# KiCad board keyboard.kicad_pcb (continued)
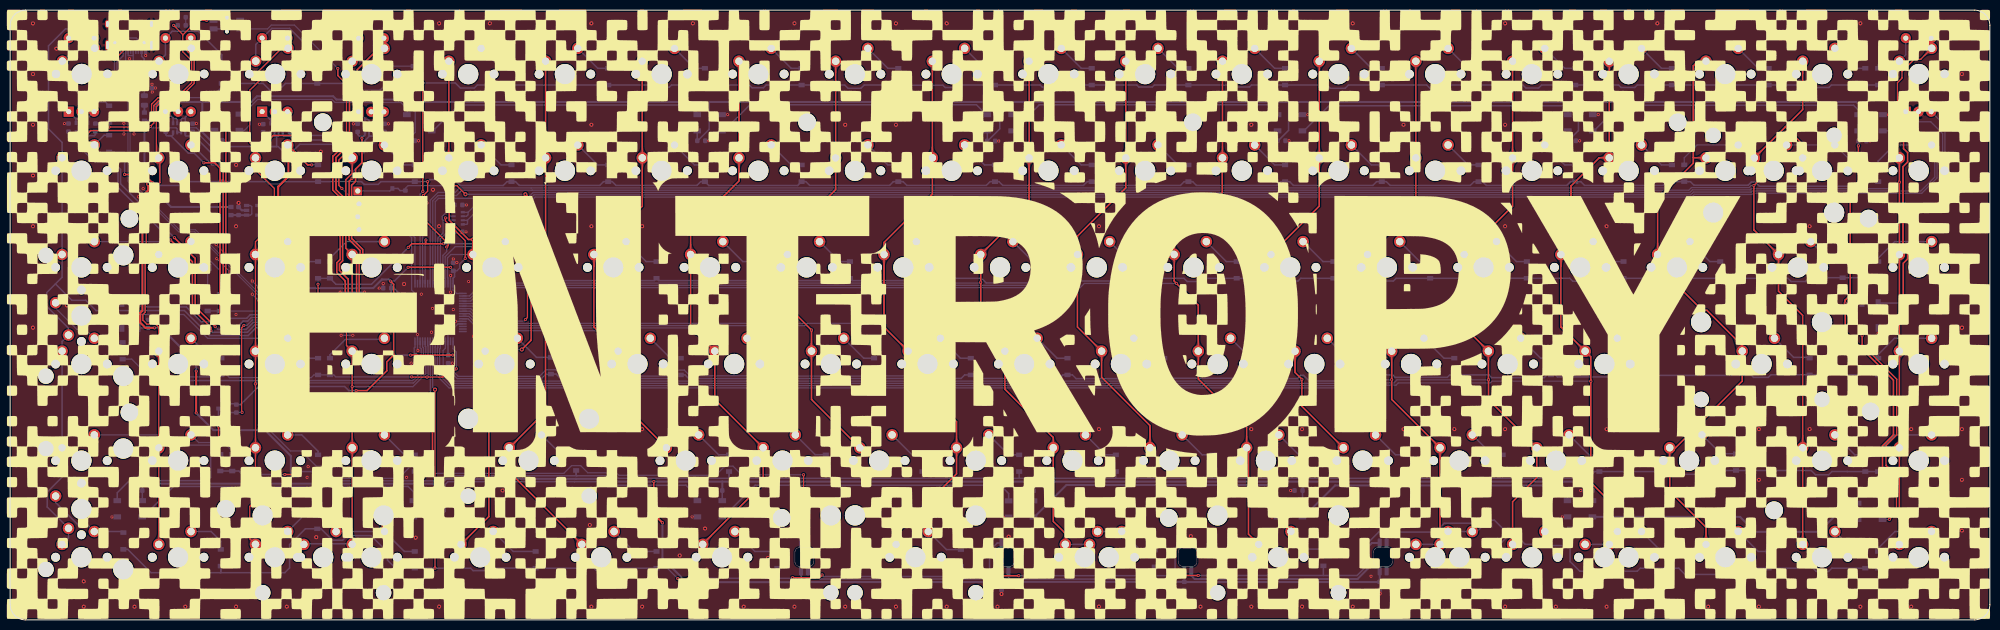
[diagram p0: board, top side]
## Routing (per net, layer and track width the routed paths; a pad name or vN(x,y) marks a point on that pad's centre or on a via; arc(x,y) is an arc through that point) (continued)
/ENC0_B: length 4.2
  Bottom w0.3: K_0.B 15.35,99 RN1.8 ; RN1.7 14.55,98.6 14.8,98.85 15.3,98.85
/ENC0_B_DB: length 91.8
  Top w0.3: v1(40.4,57.8) 36.45,61.75 36.45,71.25 v1(32.35,75.35)
  Bottom w0.3: RN1.1 15.35,95.6 15.5,95.45 ; v1(32.35,75.35) 21.75,85.95 21.75,88.81 19.86,90.7 16.95,90.7 15,92.65 15,94.95 15.5,95.45 ; v1(40.4,57.8) 40.95,57.25 46.5,57.25 47.9,58.65 64.16,58.65 64.96,57.85 71.05,57.85 71.55,58.35 76.05,58.35 76.55,57.85 U3.35 ; 15.5,95.45 16.58,95.45 16.8,95.67 C6.1
/ENC1_A: length 4.7
  Bottom w0.3: RN2.6 32.9,98.65 32.7,98.85 32.2,98.85 32.1,98.95 ; 32.1,98.95 30.86,100.19 K_1.A ; 32.1,98.95 RN2.5
/ENC1_A_DB: length 84.2
  Top w0.3: v1(38.15,90.1) 40.3,90.1 41.35,89.05 41.35,60.15 40.8,59.6 40.8,58.95 v1(41.7,58.05)
  Bottom w0.3: v1(41.7,58.05) 45.05,58.05 45.9,58.9 46.81,58.9 47.51,59.6 64.55,59.6 65.25,58.9 70.4,58.9 70.85,59.35 U3.38 ; 31.25,95.45 31.9,95.45 32.1,95.65 RN2.4 ; 31.25,95.45 31.65,95.45 35.1,92 36.25,92 v1(38.15,90.1) ; 31.25,95.45 30.85,95.45 30.65,95.65 C8.1
/ENC1_B: length 4.4
  Bottom w0.3: 34.5,98.9 34.5,99.1 K_1.B ; 34.5,98.9 34.45,98.85 33.85,98.85 33.7,98.7 RN2.7 ; 34.5,98.9 RN2.8
/ENC1_B_DB: length 78.8
  Top w0.3: v1(40.37,91.27) 41.95,89.68 41.95,59.75 v1(41.65,59.45)
  Bottom w0.3: v1(41.65,59.45) 46.6,59.45 47.3,60.15 64.85,60.15 65.55,59.45 70.15,59.45 70.55,59.85 U3.39 ; 35.7,95.4 34.65,95.4 34.5,95.55 RN2.1 ; 35.7,95.4 35.95,95.4 C11.1 ; 35.7,95.4 36.23,95.4 v1(40.37,91.27)
/ENC2_A: length 4.7
  Bottom w0.3: RN3.6 52.1,98.5 51.9,98.7 51.3,98.7 ; 51.3,98.7 RN3.5 ; 51.3,98.7 51.12,98.7 K_2.A
/ENC2_A_DB: length 68.3
  Top w0.3: v1(51.05,94.7) 51.85,95.5 v1(57,95.5) ; v1(64.7,95.4) 64.7,92.5 63.6,91.4 63.55,91.4 63.55,84.75 65,83.3 65,71.05 64.35,70.4 64.35,68.45 66,66.8 66,63.35 v1(64.35,61.7)
  Bottom w0.3: 50.7,95.4 51.1,95.4 51.3,95.6 RN3.4 ; 50.7,95.4 50.7,94.95 50.95,94.7 v1(51.05,94.7) ; 50.7,95.4 50.1,95.4 49.85,95.65 C9.1 ; U3.40 70.25,60.35 69.9,60 66.05,60 v1(64.35,61.7) ; v1(64.7,95.4) 64.6,95.5 v1(57,95.5)
/ENC2_B: length 4.3
  Bottom w0.3: RN3.8 53.7,98.75 ; 53.7,98.75 53.65,98.7 53.05,98.7 52.9,98.55 RN3.7 ; 53.7,98.75 53.7,99.25 K_2.B
/ENC2_B_DB: length 62.2
  Top w0.3: v1(65.5,94.6) 65.5,92.45 64.2,91.15 64.2,84.81 65.5,83.51 65.5,70.79 64.88,70.18 64.88,68.87 66.6,67.15 66.6,62.92 v1(65.32,61.64)
  Bottom w0.3: RN3.1 53.7,95.55 53.85,95.4 54.9,95.4 55.05,95.55 ; v1(65.5,94.6) 55.9,94.6 55.05,95.45 55.05,95.55 ; 55.05,95.55 55.15,95.65 C12.1 ; v1(65.32,61.64) 66.47,60.5 69.65,60.5 70,60.85 U3.41
/ENC3_A: length 4.2
  Bottom w0.3: 69.9,98.65 69.9,98.89 K_3.A ; 69.9,98.65 70.5,98.65 70.7,98.45 RN4.6 ; 69.9,98.65 RN4.5
/ENC3_A_DB: length 47.4
  Top w0.3: v1(69.05,61.7) 68.75,62 68.75,70.44 69.45,71.14 69.45,73.01 67.27,75.18 67.27,85.68 68.05,86.46 68.05,88.87 69.3,90.12 v1(69.3,94.95)
  Bottom w0.3: 69.3,95.35 68.8,95.35 68.45,95.7 C10.1 ; 69.3,95.35 v1(69.3,94.95) ; 69.3,95.35 69.65,95.35 69.9,95.6 RN4.4 ; U3.43 69.2,61.85 v1(69.05,61.7)
/ENC3_B: length 4.3
  Bottom w0.3: 72.3,98.7 71.65,98.7 71.5,98.55 RN4.7 ; 72.3,98.7 RN4.8 ; 72.3,98.7 72.3,98.84 K_3.B
/ENC3_B_DB: length 50.4
  Top w0.3: v1(68.25,61.4) 68.25,70.65 68.95,71.35 68.95,72.8 66.77,74.98 66.77,86.47 v1(67.35,87.05)
  Bottom w0.3: 73,95.3 73.35,95.3 73.75,95.7 C13.1 ; 73,95.3 72.5,95.3 72.3,95.5 RN4.1 ; 73,95.3 72.9,95.3 69.3,91.7 69.3,90.12 67.35,88.17 v1(67.35,87.05) ; U3.42 69.75,61.35 69.45,61.05 68.6,61.05 v1(68.25,61.4)
/ENC4_A: length 312.4
  Bottom w0.25: 90.2,80.35 89.5,80.35 ; 90.2,80.35 90.2,79.85 89.92,79.57 RN5.6 ; 90.2,80.35 92.45,82.6 102.01,82.6 103.21,83.8 331.07,83.8 331.6,84.32 342.97,84.32 343.19,84.55 376.4,84.55 379.15,87.3 379.15,90.49 380.7,92.04 380.7,95.85 378.35,98.2 375.42,98.2 K_19.A
/ENC4_A_DB: length 18.6
  Bottom w0.25: 86.33,80.37 RN5.4 ; 86.33,80.37 85.94,80.37 85.12,79.55 85.12,78.95 85.27,78.8 85.27,76.26 84.25,75.24 U3.58 ; 86.33,80.37 86.33,81.23 86.9,81.8 C31.1
/ENC4_B: length 310.5
  Bottom w0.25: K_19.B 381.15,97.47 381.15,91.85 379.6,90.3 379.6,87.11 376.59,84.1 343.38,84.1 343.16,83.87 331.78,83.87 331.26,83.35 103.4,83.35 102.15,82.1 93.4,82.1 90.1,78.8 90.1,78.6 ; 90.1,78.6 89.93,78.77 RN5.7 ; 90.1,78.6 90.1,78.1 89.97,77.97 RN5.8
/ENC4_B_DB: length 14.5
  Bottom w0.25: 86.2,76.55 84.75,75.1 U3.59 ; 86.2,76.55 86.25,76.5 C41.1 ; 86.2,76.55 86.2,77.5 86.67,77.97 RN5.1
/nRST: length 73.3
  Top w0.25: v1(101.5,59.2) 101.9,59.6 101.9,83.5 v2(101.5,83.9) ; v2(89.7,83.9) 88,85.6 v1(87.3,85.6)
  Bottom w0.25: v2(89.7,83.9) v2(101.5,83.9) ; J2.1 74.8,84.55 Q3.3 ; v1(101.5,59.2) 101.2,58.9 93.2,58.9 90.75,61.35 U3.7 ; v1(87.3,85.6) 78.39,85.6 77.85,85.06 C26.1
  Bottom w0.3: C26.1 76.82,84.62 76.4,85.05 Q3.3
/row0: length 403.8
  Top w0.25: v1(81.3,105.85) 81.29,105.85 v1(81.29,84.46) ; v1(31.25,102.95) 29.15,102.95 27.85,101.65 27.85,98.45 26.55,97.15 v1(19.5,97.15)
  Bottom w0.25: U3.51 80.75,83.92 v1(81.29,84.46) ; D_1.1 41.7,105.05 39.6,102.95 v1(31.25,102.95) ; v1(81.3,105.85) D_3.1 ; D_0.1 v1(19.5,97.15)
  Bottom w0.3: D_1.1 49.85,105.75 51.15,104.45 52.95,104.45 54.25,105.75 D_2.1 66.25,105.75 67.6,104.4 72.85,104.4 74.3,105.85 D_3.1 ; D_19.1 D_18.1 358.79,105.44 358.3,104.95 355.55,104.95 355.06,105.44 D_17.1 339.74,105.44 339.35,105.05 336.7,105.05 336.31,105.44 D_16.1 320.54,105.44 320.05,104.95 317.35,104.95 316.86,105.44 D_15.1 301.69,105.44 301.1,104.85 298.6,104.85 298.01,105.44 D_14.1 282.74,105.44 282.15,104.85 279.65,104.85 279.06,105.44 D_13.1 263.64,105.44 263,104.8 260.05,104.8 259.41,105.44 D_12.1 244.54,105.44 244.15,105.05 241.45,105.05 241.06,105.44 D_11.1 225.39,105.44 225,105.05 222.35,105.05 221.96,105.44 D_10.1 206.49,105.44 206.05,105 203.35,105 202.91,105.44 D_9.1 187.59,105.44 187.1,104.95 184.2,104.95 183.75,105.4 175,105.4 D_8.1 168.24,105.44 167.6,104.8 165.05,104.8 164.41,105.44 D_7.1 148.94,105.44 148.4,104.9 146.15,104.9 145.61,105.44 D_6.1 130.29,105.44 129.85,105 126.65,105 126.21,105.44 D_5.1 110.99,105.44 110.4,104.85 108.2,104.85 107.61,105.44 D_4.1 92.04,105.44 91.45,104.85 88.7,104.85 87.7,105.85 v1(81.3,105.85)
/row1: length 383.9
  Top w0.25: v1(82.25,86.39) 82.25,84.52 v1(81.4,83.67)
  Top w0.3: v1(28.06,86.17) 26.43,87.8 v1(22.55,87.8)
  Bottom w0.25: U3.52 81.25,83.52 v1(81.4,83.67)
  Bottom w0.3: D_20.1 20.55,92.25 22.55,90.25 v1(22.55,87.8) ; v1(28.06,86.17) 28.59,85.64 34.54,85.64 35.29,86.39 D_21.1 50.46,86.39 50.9,85.95 53.25,85.95 53.69,86.39 D_22.1 69.21,86.39 69.75,85.85 72.5,85.85 73.04,86.39 D_23.1 v1(82.25,86.39) 82.66,86.8 87.51,86.8 88.69,85.63 97.13,85.63 97.89,86.39 D_24.1 99.56,86.39 100.3,85.65 116.15,85.65 116.89,86.39 D_25.1 118.61,86.39 119.35,85.65 135.3,85.65 136.04,86.39 D_26.1 137.62,85.63 155.15,85.63 D_27.1 156.76,86.39 157.5,85.65 173.25,85.65 173.99,86.39 D_28.1 175.91,86.39 176.65,85.65 192.3,85.65 193.04,86.39 D_29.1 194.81,86.39 195.55,85.65 211.45,85.65 212.19,86.39 D_30.1 213.86,86.39 214.6,85.65 230.55,85.65 231.29,86.39 D_31.1 232.96,86.39 233.7,85.65 249.55,85.65 250.29,86.39 D_32.1 252.06,86.39 252.8,85.65 268.45,85.65 269.19,86.39 D_33.1 271.11,86.39 271.85,85.65 287.65,85.65 288.39,86.39 D_34.1 290.06,86.39 290.8,85.65 306.65,85.65 307.39,86.39 D_35.1 309.41,86.39 310.15,85.65 325.65,85.65 326.39,86.39 D_36.1 331.01,86.39 331.7,85.7 342.4,85.7 343.01,86.31 343.78,86.31 344.07,86.03 344.07,86.03 344.6,85.5 363.1,85.5 363.95,86.35 D_37.1 367.96,86.35 D_38.1
/row2: length 358.7
  Top w0.25: v1(60.65,60.9) v1(60.65,66.15) ; 81.8,74.15 81.9,74.25 v1(81.9,74.9)
  Top w0.3: v1(78.43,73.42) 79.15,74.15 v1(85.38,74.15)
  Bottom w0.25: D_39.1 41.3,60.9 D_41.1 60.64,60.89 v1(60.65,60.9) ; D_43.1 D_42.1 60.66,66.16 v1(60.65,66.15) ; U3.53 81.75,74.75 v1(81.9,74.9)
  Bottom w0.3: v1(85.38,74.15) 94.82,74.15 96.57,72.4 100.07,72.4 102.84,69.64 102.84,68.36 103.25,67.95 D_44.1 105.5,67.95 106.57,66.88 126.88,66.88 D_45.1 127.8,66.88 145.93,66.88 D_46.1 146.85,66.88 164.98,66.88 D_47.1 165.9,66.88 184.03,66.88 D_48.1 191.36,67.34 192.27,66.43 202.63,66.43 D_49.1 204.31,67.34 204.85,66.8 221.2,66.8 221.74,67.34 D_50.1 231.24,67.34 231.88,66.7 234.45,66.7 235.09,67.34 D_51.1 250.46,67.34 251,66.8 253.7,66.8 254.24,67.34 D_52.1 269.26,67.34 269.8,66.8 272.5,66.8 273.04,67.34 D_53.1 287.96,67.34 288.6,66.7 291.6,66.7 292.25,67.35 298.77,67.35 D_54.1 307.26,67.34 307.85,66.75 310.7,66.75 311.25,67.3 317.8,67.3 D_55.1 326.26,67.34 326.8,66.8 329.9,66.8 330.44,67.34 D_56.1 350.21,67.34 350.85,66.7 353.65,66.7 354.4,67.45 D_57.1 367.85,67.45 367.96,67.34 D_58.1 ; D_43.1 64.19,66.15 71.18,66.15 78.43,73.4 v1(78.43,73.42)
/row3: length 363.6
  Top w0.25: v1(79.1,47.9) 79.14,47.86 v1(82.12,47.86) 85.26,47.86 v1(86,48.6)
  Bottom w0.25: D_40.1 23.95,51.4 26.55,48.8 29.6,48.8 30.5,47.9 40.4,47.9 40.8,48.3 41.6,48.3 D_60.1 42.66,48.29 43.2,47.75 59.3,47.75 59.84,48.29 D_61.1 D_62.1 63.76,48.29 64.15,47.9 v1(79.1,47.9) ; U3.27 82.25,54.08 82.33,54.01 82.33,48.07 v1(82.12,47.86) ; D_63.1 105.55,48.45 104.65,47.55 88.08,47.55 87,48.63 86.03,48.63 v1(86,48.6)
  Bottom w0.3: D_76.1 367.99,48.3 D_75.1 346.85,48.3 346.35,47.8 343.45,47.8 343.05,48.2 322.69,48.2 D_74.1 321.54,48.29 321.15,47.9 304.8,47.9 304.41,48.29 D_73.1 302.74,48.29 302.2,47.75 291.85,47.75 291.31,48.29 D_72.1 283.6,48.29 283.11,47.8 272.85,47.8 272.36,48.29 D_71.1 264.39,48.29 263.2,47.1 255.9,47.1 254.8,48.2 254.2,48.2 253.55,47.55 247.95,47.55 247.21,48.29 D_70.1 245.64,48.29 245,47.65 228.8,47.65 228.16,48.29 D_69.1 226.59,48.29 225.85,47.55 210,47.55 209.26,48.29 D_68.1 207.39,48.29 206.7,47.6 191.05,47.6 190.36,48.29 D_67.1 188.04,48.29 187.35,47.6 171.7,47.6 171.01,48.29 D_66.1 169.24,48.29 168.53,47.58 152.67,47.58 151.96,48.29 D_65.1 150.19,48.29 149.48,47.58 133.67,47.58 132.96,48.29 D_64.1 131.19,48.29 130.48,47.58 108.42,47.58 107.55,48.45 D_63.1
/row4: length 378.5
  Top w0.3: v1(81.45,28.1) 81.45,29.85 83.2,31.6 83.2,44 v2(82.78,44.42) ; v1(54.1,28.65) 56.15,28.65 v1(56.2,28.6)
  Bottom w0.25: v2(82.78,44.42) 82.78,54.2 82.75,54.22 U3.26
  Bottom w0.3: 111.6,28.4 85.65,28.4 84.65,27.4 81.45,27.4 ; 111.6,28.4 119.3,28.4 119.8,27.9 141.55,27.9 141.62,27.97 D_83.1 141.62,27.9 160.68,27.9 D_84.1 160.68,27.92 160.7,27.9 179.73,27.9 ; 111.6,28.4 111.5,28.5 ; 111.6,28.4 111.5,28.5 ; 294.02,27.9 274.98,27.9 ; 294.02,27.9 D_91.1 ; 294.02,27.9 310.8,27.9 312.14,29.24 D_92.1 328.66,29.24 329.2,28.7 332.15,28.7 332.9,29.45 D_93.1 354.8,29.45 355.65,28.6 358.25,28.6 358.9,29.25 361.9,29.25 361.91,29.24 D_94.1 D_95.1 ; 236.88,27.9 217.82,27.9 ; 236.88,27.9 255.93,27.9 ; 236.88,27.9 D_88.1 ; 217.82,27.9 D_87.1 ; 217.82,27.9 198.8,27.9 ; 79.71,28.49 D_81.1 ; 79.71,28.49 79.71,27.41 79.7,27.4 ; 79.71,28.49 79.7,28.47 79.7,27.4 ; 274.98,27.9 255.93,27.9 ; 274.98,27.9 D_90.1 ; 255.93,27.9 D_89.1 ; v1(54.1,28.65) 45.75,28.65 45.06,29.34 D_79.1 43.75,29.35 D_77.1 ; 111.5,28.5 D_82.1 111.5,28.5 ; 179.73,27.9 198.77,27.9 D_86.1 ; 179.73,27.9 D_85.1 ; 81.45,27.4 79.7,27.4 ; 81.45,27.4 v1(81.45,28.1) ; 79.7,27.4 63.5,27.4 61.66,29.24 D_80.1 57.44,29.24 56.8,28.6 v1(56.2,28.6)
/row5: length 440.3
  Top w0.25: v1(131.53,8.13) v1(133.57,8.13) ; v2(83.7,45.4) v1(83.7,10.2)
  Top w0.3: v1(154.15,8.3) 159.4,8.3 v1(159.95,8.85) ; v1(198.7,8.7) 191.25,8.7 v1(191.2,8.75) ; v1(228.2,8.7) 228.25,8.75 v1(234.05,8.75)
  Bottom w0.25: v1(133.57,8.13) 133.99,8.13 134.06,8.2 151.3,8.2 151.15,8.35 151.15,8.8 ; D_100.1 129.46,10.19 131.52,8.13 v1(131.53,8.13) ; U3.25 83.23,54.9 83.23,45.87 v2(83.7,45.4) ; v1(83.7,10.2) 83.69,10.19 81.09,10.19
  Bottom w0.3: v1(159.95,8.85) 160.25,8.55 187.05,8.55 187.3,8.8 D_110.1 187.3,8.75 v1(191.2,8.75) ; 225.5,8.7 v1(228.2,8.7) ; 225.5,8.7 D_102.1 ; 225.5,8.7 v1(198.7,8.7) ; 258.7,8.75 v1(234.05,8.75) ; 258.7,8.75 D_112.1 ; 258.7,8.75 265.35,8.75 266.85,10.25 266.85,14.55 269.6,17.3 280.75,17.3 282.5,19.05 289.55,19.05 290.15,19.65 292.4,19.65 295.2,16.85 295.2,16.65 ; 295.2,16.65 293.85,15.3 D_103.1 ; 295.2,16.65 296.7,16.65 298.45,14.9 300.6,14.9 300.85,14.65 D_114.1 307.3,11.5 309.2,9.6 320.55,9.6 321.14,10.19 D_104.1 328.71,10.19 329.95,8.95 339.4,8.95 340.64,10.19 D_105.1 355.16,10.19 355.8,9.55 358.23,9.55 358.86,10.19 D_106.1 D_107.1 ; v1(154.15,8.3) 154.05,8.2 151.28,8.2 151.15,8.32 D_101.1 ; D_78.1 23.15,13.9 27.75,9.3 41.4,9.3 41.5,9.4 D_97.1 41.5,9.3 54.1,9.3 55.05,10.25 55.05,14.85 58.15,17.95 D_108.1 61.25,17.95 63.5,15.7 65.5,15.7 66.4,16.6 71.1,16.6 74.34,13.36 74.34,11.76 75.9,10.2 79.7,10.2 D_98.1 90.71,10.19 91.2,9.7 94,9.7 94.5,10.2 103.51,10.2 D_99.1 115.01,10.19 115.45,9.75 117.4,9.75 117.84,10.19 D_100.1
/SWDCLK: length 20.8
  Top w0.25: J2.4 71.65,76.93 v1(71.7,76.98)
  Bottom w0.25: U3.49 79.75,75.34 78.11,76.98 v1(71.7,76.98)
/SWDIO: length 29
  Bottom w0.25: U3.46 79.33,63.35 79.73,63.75 79.73,64.4 79.09,65.04 79.09,75.36 78.1,76.35 71.04,76.35 70.8,76.59 70.8,79.94 J2.2
/underglow: length 53
  Top w0.25: v1(45.7,40.9) 45.6,41 45.6,57.6 v1(46.05,58.05)
  Bottom w0.25: U3.36 76.72,58.35 76.25,58.83 71.2,58.83 70.73,58.35 65.13,58.35 64.35,59.13 47.7,59.13 46.63,58.05 v1(46.05,58.05) ; R1.2 44.59,40.9 v1(45.7,40.9)
  Bottom w0.3: R1.2 43.21,40.86 Q1.2
/USB+: length 5
  Bottom w0.25: 24.25,111.35 24.25,109.9 U1.3 ; 24.25,111.35 24.15,111.25 23.33,111.25 23.25,111.32 J1.A6 ; 24.25,111.35 J1.B6
/USB-: length 6.1
  Bottom w0.25: J1.A7 23.75,113.57 23.67,113.65 22.93,113.65 22.75,113.47 J1.B7 22.75,109.9 U1.1
/USB_D+: length 86.3
  Bottom w0.2: 73.55,62.85 71.15,62.85 50.57,62.85 36.52,76.9 33.35,76.9 23.62,86.63 23.62,105.94 24.45,106.77 U1.4 ; 73.55,62.85 U3.45 ; 73.55,62.85 73.55,63.88 R9.2
/USB_D-: length 85.9
  Bottom w0.2: U1.6 22.55,106.6 23.2,105.95 23.2,86.49 33.19,76.5 36.35,76.5 50.5,62.35 U3.44
/XTAL_0: length 9
  Bottom w0.25: U3.5 92.22,62.35 93.25,63.38 Y1.2 96.5,64.4 97.32,64.4
/XTAL_1: length 9.5
  Bottom w0.25: Y1.4 95,60.5 93.4,60.5 92.05,61.85 U3.6 ; Y1.4 95.69,60.62 ; Y1.4 96.79,60.62 C5.1
Net-(C1-Pad2): length 6.7
  Bottom w0.25: U2.1 47.36,79.79 47.6,80.03 47.6,81.45 47.36,81.69 U2.3
  Bottom w0.4: FB2.1 C1.2 45.01,79.79 U2.1
Net-(D1-Pad2): length 58.1
  Bottom w0.3: D3.4 79.44,25.26 78.4,26.3 32.2,26.3 26.2,20.3 D1.2
Net-(D1-Pad4): length 35.4
  Top w0.3: v1(41.05,38.15) 41.05,34.5 v1(40.35,33.8)
  Bottom w0.3: v1(40.35,33.8) 39.5,32.95 39.5,28.1 38.85,27.45 23.5,27.45 21.1,25.05 D1.4 ; Q1.3 R2.2 v1(41.05,38.15)
Net-(D2-Pad2): length 56.1
  Bottom w0.3: D2.2 249.68,101.02 249.15,101.55 202.75,101.55 197.6,96.4 D4.4
Net-(D2-Pad4): length 55.8
  Bottom w0.3: D20.2 306.87,100.83 306.35,101.35 259.8,101.35 254.85,96.4 D2.4
Net-(D3-Pad2): length 59.3
  Bottom w0.3: D5.4 135.38,24.3 133.13,26.55 119.51,26.55 118.81,27.25 111.19,27.25 86.25,27.25 85.7,26.7 85.7,21.4 84.6,20.3 D3.2 84.62,20.3
Net-(D4-Pad2): length 55.2
  Bottom w0.3: D6.4 140.6,96.4 145.75,101.55 190.35,101.55 192.3,99.6 D4.2
Net-(D5-Pad2): length 61.1
  Bottom w0.3: D5.2 140.5,20.3 146.75,26.55 195.05,26.55 196.7,24.9 D7.4
Net-(D6-Pad2): length 55.4
  Bottom w0.3: D6.2 135.35,99.9 133.75,101.5 88.4,101.5 83.3,96.4 D8.4
Net-(D7-Pad2): length 52.9
  Bottom w0.4: D9.4 249.67,25.03 248.1,26.6 208.1,26.6 201.75,20.25 D7.2
Net-(D10-Pad2): length 61.4
  Top w0.3: v1(41.5,99.7) 42.5,98.7 v1(42.5,58.75)
  Bottom w0.3: D10.2 v1(41.5,99.7) ; v1(42.5,58.75) 37.65,58.75 34.7,61.7 26.9,61.7 26.15,62.45 D12.4
Net-(D10-Pad4): length 39.5
  Bottom w0.25: D8.2 78.15,100.8 76.95,102 64,102 63.4,102.6 48.75,102.6 47.35,101.2 47.35,97.7 46.15,96.5 D10.4
Net-(D11-Pad2): length 55.8
  Bottom w0.4: D11.2 340.8,20.3 343.75,17.35 356.35,17.35 362,23 D13.4
Net-(D11-Pad4): length 57.1
  Bottom w0.4: D9.2 254.8,20.3 261,26.5 305.65,26.5 306.81,25.34 D11.4
Net-(D12-Pad2): length 177.8
  Top w0.25: v1(156.3,25.6) v1(156.3,28.6) ; v1(49.1,55.5) 50.1,54.5 50.1,52 49.1,51 v1(49.1,38.4)
  Bottom w0.25: v1(49.1,55.5) 38.9,55.5 34.2,60.2 24.4,60.2 22,57.8 D12.2 ; v1(49.1,38.4) 50.1,38.4 55.2,33.3 57.3,33.3 60.3,30.3 61.3,30.3 63.7,27.9 76.5,27.9 78.8,30.2 80.6,30.2 81.93,28.87 109.07,28.87 110.6,30.4 112.4,30.4 113.8,29 119.4,29 119.9,28.5 139,28.5 140.8,30.3 142.4,30.3 144.1,28.6 v1(156.3,28.6) ; v1(156.3,25.6) 156.3,17.6 155.8,17.1 D21.4
Net-(D13-Pad2): length 44.2
  Top w0.25: v1(364.83,56.03) 364.83,54.27 371.65,47.45 371.65,36.45 369.55,34.35 369.55,30.45 371.6,28.4 371.6,21.2 v1(370.2,19.8)
  Bottom w0.25: D15.4 364.8,56.07 v1(364.83,56.03) ; D13.2 v1(370.2,19.8)
Net-(D14-Pad2): length 1.6
  Bottom w0.25: R11.2 D14.2
Net-(D15-Pad2): length 43.9
  Top w0.3: v1(373,96.4) 373,92.9 373.8,92.1 373.8,90.25 372.9,89.35 372.9,73.75 373.8,72.85 373.8,71.15 372.95,70.3 v1(372.95,63.25)
  Bottom w0.3: D15.2 372.15,62.45 v1(372.95,63.25) ; D17.4 v1(373,96.4)
Net-(D17-Pad2): length 55.7
  Bottom w0.3: D20.4 312,96.4 317.05,101.45 363.15,101.45 364.05,100.55 D17.2
Net-(D21-Pad2): length 44.6
  Bottom w0.3: D21.2 157.95,9.65 159.55,8.05 192.15,8.05 192.95,8.85 192.95,13.65 194.45,15.15 D22.4
Net-(D22-Pad2): length 42.2
  Bottom w0.3: D23.4 230.5,15.15 229.5,14.15 229.5,8.6 228.94,8.04 197.06,8.04 196.66,8.44 D22.2
Net-(D23-Pad2): length 43.8
  Bottom w0.4: D23.2 232.66,8.75 233.36,8.05 265.43,8.05 267.4,10.02 267.4,14.3 268.25,15.15 D25.4
Net-(D24-Pad2): length 3.4
  Bottom w0.3: R10.1 D24.2 Q3.1
Net-(D_0-Pad2): length 19.8
  Bottom w0.3: D_0.2 18.75,102.1 15.2,102.1 10.7,106.6 10.7,109.73 K_0.S2 11.54,111.4 K_0.S2
Net-(D_1-Pad2): length 21
  Bottom w0.3: K_1.S2 30.59,111.4 K_1.S2 31.94,116.04 37.06,116.04 41.7,111.4 D_1.2
Net-(D_2-Pad2): length 21.1
  Bottom w0.3: D_2.2 60.5,111.15 55.05,116.6 51.55,116.6 K_2.S2 48.39,113.44 K_2.S2
Net-(D_3-Pad2): length 17.6
  Bottom w0.25: K_3.S2 73.17,110.13 74.15,109.15 D_3.2
  Bottom w0.3: K_3.S2 68.63,111.38 K_3.S2
Net-(D_4-Pad2): length 7.6
  Bottom w0.3: D_4.2 96.71,108.74 K_4.2
Net-(D_5-Pad2): length 7.6
  Bottom w0.3: K_5.2 115.76,108.74 D_5.2
Net-(D_6-Pad2): length 7.6
  Bottom w0.3: K_6.2 134.81,108.74 D_6.2
Net-(D_7-Pad2): length 7.6
  Bottom w0.3: D_7.2 153.86,108.74 K_7.2
Net-(D_8-Pad2): length 7.6
  Bottom w0.3: K_8.2 172.91,108.74 D_8.2
Net-(D_9-Pad2): length 7.6
  Bottom w0.3: D_9.2 191.96,108.74 K_9.2
Net-(D_10-Pad2): length 7.6
  Bottom w0.3: D_10.2 211.01,108.74 K_10.2
Net-(D_11-Pad2): length 7.6
  Bottom w0.3: K_11.2 230.05,108.75 232.1,108.75 D_11.2
Net-(D_12-Pad2): length 7.6
  Bottom w0.3: K_12.2 249.11,108.74 D_12.2
Net-(D_13-Pad2): length 7.6
  Bottom w0.3: D_13.2 268.16,108.74 K_13.2
Net-(D_14-Pad2): length 7.6
  Bottom w0.3: D_14.2 287.21,108.74 K_14.2
Net-(D_15-Pad2): length 7.6
  Bottom w0.3: D_15.2 306.26,108.74 K_15.2
Net-(D_16-Pad2): length 7.6
  Bottom w0.3: D_16.2 325.31,108.74 K_16.2
Net-(D_17-Pad2): length 7.6
  Bottom w0.3: K_17.2 344.35,108.75 346.4,108.75 D_17.2
Net-(D_18-Pad2): length 7.6
  Bottom w0.3: D_18.2 363.41,108.74 K_18.2
Net-(D_19-Pad2): length 10.2
  Bottom w0.25: K_19.S2 373.44,111.39 K_19.S2 368.74,110.14 368,109.4 D_19.2
Net-(D_20-Pad2): length 3.7
  Bottom w0.3: D_20.2 18.51,95.55 K_20.2
Net-(D_21-Pad2): length 7.6
  Bottom w0.3: D_21.2 39.77,89.69 35.84,93.62 K_21.2
Net-(D_22-Pad2): length 7.6
  Top w0.3: v1(59.4,89.69) 58.61,89.69 K_22.2
  Bottom w0.3: D_22.2 v1(59.4,89.69)
Net-(D_23-Pad2): length 7.6
  Bottom w0.3: D_23.2 77.66,89.69 K_23.2
Net-(D_24-Pad2): length 7.6
  Bottom w0.3: D_24.2 96.71,89.69 K_24.2
Net-(D_25-Pad2): length 7.6
  Bottom w0.3: K_25.2 115.76,89.69 D_25.2
Net-(D_26-Pad2): length 7.6
  Bottom w0.3: D_26.2 134.81,89.69 K_26.2
Net-(D_27-Pad2): length 7.6
  Bottom w0.3: D_27.2 153.86,89.69 K_27.2
Net-(D_28-Pad2): length 7.6
  Bottom w0.3: D_28.2 172.91,89.69 K_28.2
Net-(D_29-Pad2): length 7.6
  Bottom w0.3: D_29.2 191.96,89.69 K_29.2
Net-(D_30-Pad2): length 7.6
  Bottom w0.3: D_30.2 211.01,89.69 K_30.2
Net-(D_31-Pad2): length 7.6
  Bottom w0.3: K_31.2 230.06,89.69 D_31.2
Net-(D_32-Pad2): length 7.6
  Bottom w0.3: K_32.2 249.11,89.69 D_32.2
Net-(D_33-Pad2): length 7.6
  Bottom w0.3: K_33.2 268.16,89.69 D_33.2
Net-(D_34-Pad2): length 7.6
  Bottom w0.3: K_34.2 287.21,89.69 D_34.2
Net-(D_35-Pad2): length 7.6
  Bottom w0.3: K_35.2 306.26,89.69 D_35.2
Net-(D_36-Pad2): length 7.6
  Bottom w0.3: K_36.2 325.31,89.69 D_36.2
Net-(D_37-Pad2): length 17.3
  Bottom w0.25: D_37.2 363.44,89.65 K_118.2 K_37.2
Net-(D_38-Pad2): length 12.6
  Bottom w0.3: K_38.2 371.17,93.62 368,90.45 D_38.2
Net-(D_39-Pad2): length 30.9
  Bottom w0.25: K_39.2 30.41,74.57 32.37,72.6 36.96,72.6 39.55,70.01 39.55,68.95 38.9,68.3 D_39.2
Net-(D_40-Pad2): length 17
  Bottom w0.25: K_40.2 8.96,61.44 13.15,57.25 14.84,57.25 K_59.2 17.39,54.7 D_40.2
Net-(D_41-Pad2): length 12.7
  Bottom w0.25: K_41.2 41.31,68.88 D_41.2
Net-(D_42-Pad2): length 7.6
  Bottom w0.3: K_42.2 58.61,70.64 D_42.2
Net-(D_43-Pad2): length 12.7
  Bottom w0.3: D_43.2 63,71.3 66.27,74.57 K_43.2
Net-(D_44-Pad2): length 8.3
  Bottom w0.3: D_44.2 102.65,71.25 99.33,74.57 K_44.2
Net-(D_45-Pad2): length 7.6
  Bottom w0.3: K_45.2 125.28,70.64 D_45.2
Net-(D_46-Pad2): length 7.6
  Bottom w0.3: D_46.2 144.33,70.64 K_46.2
Net-(D_47-Pad2): length 7.6
  Bottom w0.3: K_47.2 163.38,70.64 D_47.2
Net-(D_48-Pad2): length 7.6
  Bottom w0.3: D_48.2 182.43,70.64 K_48.2
Net-(D_49-Pad2): length 7.6
  Bottom w0.3: D_49.2 201.48,70.64 K_49.2
Net-(D_50-Pad2): length 7.6
  Bottom w0.3: D_50.2 220.53,70.64 K_50.2
Net-(D_51-Pad2): length 7.6
  Bottom w0.3: K_51.2 239.58,70.64 D_51.2
Net-(D_52-Pad2): length 7.6
  Bottom w0.3: K_52.2 258.63,70.64 D_52.2
Net-(D_53-Pad2): length 7.6
  Bottom w0.3: D_53.2 277.68,70.64 K_53.2
Net-(D_54-Pad2): length 7.6
  Bottom w0.3: D_54.2 296.73,70.64 K_54.2
Net-(D_55-Pad2): length 7.6
  Bottom w0.3: D_55.2 315.78,70.64 K_55.2
Net-(D_56-Pad2): length 7.6
  Bottom w0.3: D_56.2 334.83,70.64 K_56.2
Net-(D_57-Pad2): length 7.9
  Bottom w0.3: K_57.2 358.53,70.75 D_57.2
Net-(D_58-Pad2): length 12.5
  Bottom w0.3: K_58.2 371.27,74.57 368,71.3 D_58.2
Net-(D_59-Pad2): length 13.1
  Bottom w0.25: K_117.2 332.32,93.62 329.8,91.1 D_59.2
Net-(D_60-Pad2): length 7.6
  Bottom w0.3: D_60.2 39.56,51.59 K_60.2
Net-(D_61-Pad2): length 7.6
  Bottom w0.3: K_61.2 58.61,51.59 D_61.2
Net-(D_62-Pad2): length 12.7
  Bottom w0.3: D_62.2 63,52.25 66.05,55.3 73.51,55.3 K_62.2
Net-(D_63-Pad2): length 8.1
  Bottom w0.3: D_63.2 103.69,51.75 K_63.2
Net-(D_64-Pad2): length 7.6
  Bottom w0.3: D_64.2 130.04,51.59 126.12,55.52
Net-(D_65-Pad2): length 7.6
  Bottom w0.3: K_65.2 149.09,51.59 D_65.2
Net-(D_66-Pad2): length 7.6
  Bottom w0.3: 164.21,55.52 168.14,51.59 D_66.2
Net-(D_67-Pad2): length 7.6
  Bottom w0.3: 183.26,55.52 187.19,51.59 D_67.2
Net-(D_68-Pad2): length 7.6
  Bottom w0.3: K_68.2 206.25,51.59 D_68.2
Net-(D_69-Pad2): length 7.6
  Bottom w0.3: K_69.2 225.3,51.59 D_69.2
Net-(D_70-Pad2): length 7.6
  Bottom w0.3: K_70.2 244.35,51.59 D_70.2
Net-(D_71-Pad2): length 7.6
  Bottom w0.3: D_71.2 263.39,51.59 259.46,55.52
Net-(D_72-Pad2): length 7.6
  Bottom w0.3: K_72.2 282.44,51.59 D_72.2
Net-(D_73-Pad2): length 7.6
  Bottom w0.3: D_73.2 301.5,51.59 K_73.2
Net-(D_74-Pad2): length 7.6
  Bottom w0.3: D_74.2 320.55,51.59 K_74.2
Net-(D_75-Pad2): length 8.5
  Bottom w0.3: K_75.2 351.34,51.75 354.5,51.75
Net-(D_76-Pad2): length 12.6
  Bottom w0.3: K_76.2 371.22,55.52 368,52.3 D_76.2
Net-(D_77-Pad2): length 27.2
  Bottom w0.25: D_77.2 41.4,34 40.95,34.45 31.95,34.45 29.93,36.47 K_77.2
Net-(D_78-Pad2): length 17.1
  Bottom w0.3: D_78.2 22.08,17.42 K_96.2 15.25,18.75 13.35,18.75 8.96,23.14 K_78.2
Net-(D_79-Pad2): length 10.1
  Bottom w0.25: D_79.2 43.76,33.29 42.1,34.95 37.15,34.95 K_79.2
Net-(D_80-Pad2): length 8
  Bottom w0.3: D_80.2 60.66,33.24 57.43,36.47 K_80.2
Net-(D_81-Pad2): length 7.6
  Bottom w0.3: K_81.2 77.66,32.54 D_81.2
Net-(D_82-Pad2): length 8.4
  Bottom w0.3: K_82.2 108.4,32.75 D_82.2
Net-(D_83-Pad2): length 7.6
  Bottom w0.3: K_83.2 139.57,32.54 D_83.2
Net-(D_84-Pad2): length 7.7
  Bottom w0.3: K_84.2 158.59,32.56 160.7,32.56 D_84.2
Net-(D_85-Pad2): length 7.6
  Bottom w0.3: D_85.2 177.67,32.54 K_85.2
Net-(D_86-Pad2): length 7.6
  Bottom w0.3: D_86.2 196.72,32.54 K_86.2
Net-(D_87-Pad2): length 7.6
  Bottom w0.3: D_87.2 215.77,32.54 K_87.2
Net-(D_88-Pad2): length 7.6
  Bottom w0.3: K_88.2 234.82,32.54 D_88.2
Net-(D_89-Pad2): length 7.6
  Bottom w0.3: K_89.2 253.87,32.54 D_89.2
Net-(D_90-Pad2): length 7.6
  Bottom w0.3: D_90.2 272.92,32.54 K_90.2
Net-(D_91-Pad2): length 7.6
  Bottom w0.3: D_91.2 291.97,32.54 K_91.2
Net-(D_92-Pad2): length 7.6
  Bottom w0.3: D_92.2 311.02,32.54 K_92.2
Net-(D_93-Pad2): length 8.3
  Bottom w0.3: D_93.2 337,32.75 K_93.2
Net-(D_94-Pad2): length 7.6
  Bottom w0.3: K_94.2 363.41,32.54 D_94.2
Net-(D_95-Pad2): length 12.5
  Bottom w0.3: K_95.2 371.32,36.47 368,33.15 D_95.2
Net-(D_97-Pad2): length 8.3
  Bottom w0.3: K_97.2 39.58,17.42 41.5,15.5 D_97.2
Net-(D_98-Pad2): length 17.1
  Bottom w0.3: K_98.2 K_109.2 77.66,13.49 D_98.2
Net-(D_99-Pad2): length 10
  Bottom w0.3: D_99.2 99.09,13.49 K_99.2